# Altium PCB mod_duo_x_g3399.PcbDoc (part 2 of 2)
Units mm, origin at the board's own origin, x right, y up, seen from the top; angles counter-clockwise.
Board outline 76 x 68 mm, 4 copper layers (Top Layer, VCC, GND, Bottom Layer), stack 1.37 mm thick; 34 components, 85 nets, 409 pads, 280 vias.
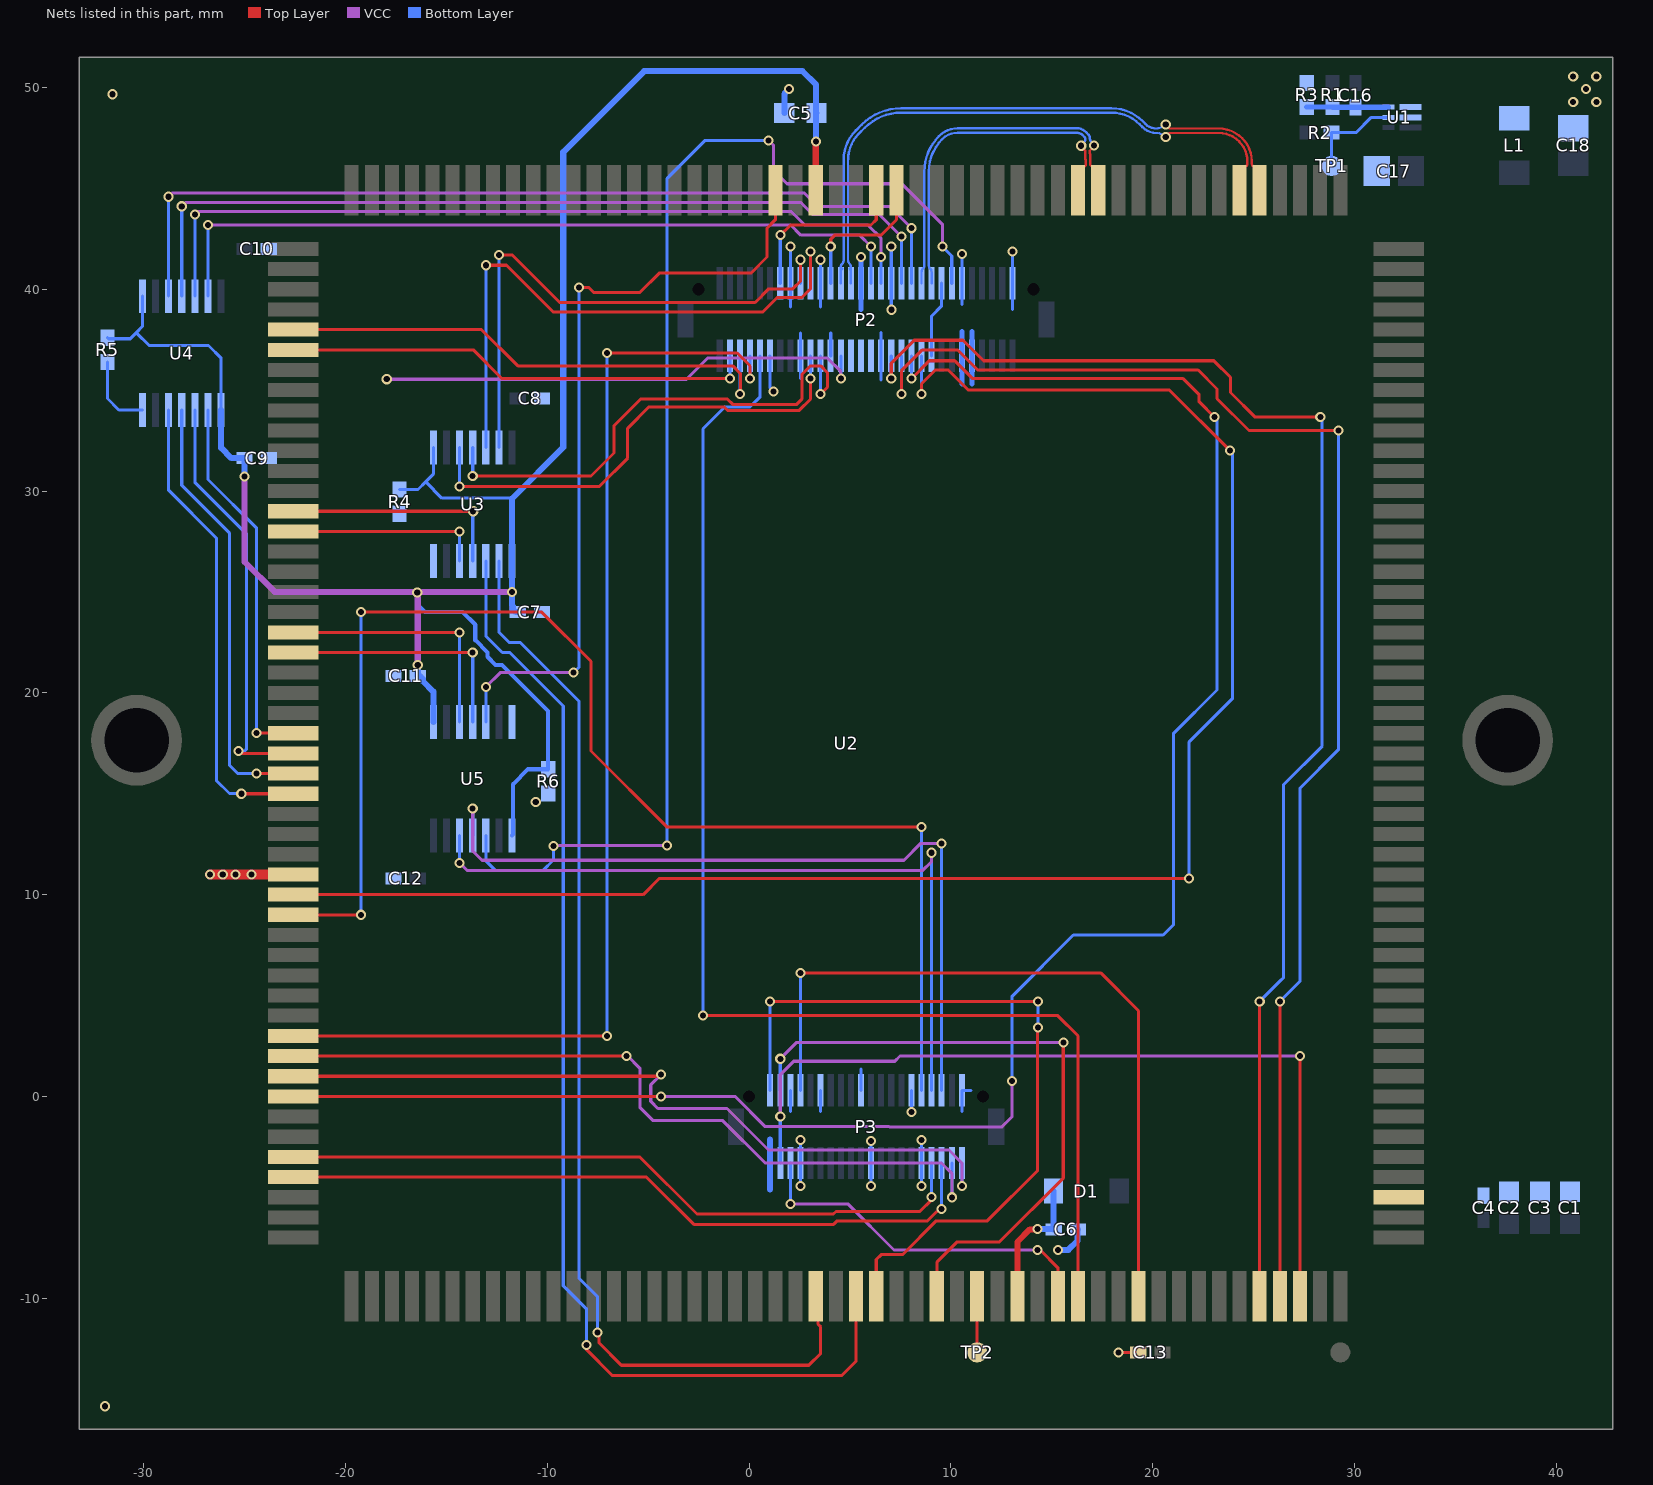
[diagram p4: the nets of this part, all layers, seen from the top]

## Via types
v1: diameter 0.5, hole 0.3, Top Layer to Bottom Layer, tented both sides, 280 vias

## Nets (pads, with @x,y where several pads share a name; then routed paths per layer and width w, separated by ;. In a path a pad name is that pad's centre, name@x,y a point inside that pad or via, vN(x,y) a via of type N, cw(c..) or ccw(c..) an arc to the next point about the centre after c; other vN are vias at no path point) (continued)
EXP_EN2: P3.32 U2.184 | length 66.2
  Top Layer w0.152: U2.184@-22.593,8.999 v1(-19.223,8.999) ; v1(-19.223,23.999) -10.268,23.999 -7.831,21.561 -7.831,17.116 -4.058,13.344 v1(8.55,13.344)
  Bottom Layer w0.152: v1(-19.223,8.999) v1(-19.223,23.999) ; P3.32@8.55,0.3 v1(8.55,13.344)
EXP_FLAG1: P3.36 U5.11 | length 39.5
  VCC w0.152: v1(-13.693,14.26) -13.693,12.162 -13.233,11.702 7.678,11.702 8.517,12.541 v1(9.55,12.541)
  Bottom Layer w0.152: U5.11@-13.693,12.922 v1(-13.693,14.26) ; P3.36@9.55,0.3 v1(9.55,12.541)
EXP_FLAG1_1V8: U2.171 U5.4 | length 12.3
  Top Layer w0.152: U2.171@-22.593,21.999 v1@-13.693,21.999
  Bottom Layer w0.152: U5.4@-13.693,18.56 v1@-13.693,21.999
  other v1: -13.693,21.999
EXP_FLAG2: P3.34 U5.12 | length 37.3
  VCC w0.152: v1(-14.343,11.576) -13.952,11.185 8.592,11.185 9.05,11.643 v1(9.05,12.074)
  Bottom Layer w0.152: v1(-14.343,11.576) U5.12@-14.343,12.922 ; P3.34@9.05,0.3 v1(9.05,12.074)
EXP_FLAG2_1V8: U2.170 U5.3 | length 12.7
  Top Layer w0.152: U2.170@-22.593,22.999 v1(-14.343,22.999)
  Bottom Layer w0.152: U5.3@-14.343,18.56 v1(-14.343,22.999)
GND: C1.1 C2.1 C3.1 C4.1 C5.1 C6.1 C7.1 C8.1 C9.1 C10.1 C11.1 C12.1 C13.1 C17.1 C18.1 P2.11 P2.16 P2.17 P2.22 P2.23 P2.30 P2.33 P2.36 P2.43 P2.46 P2.49 P2.50 P2.51 P2.60 P3.1 P3.6 P3.7 P3.12 P3.20 P3.21 P3.30 P3.31 P3.40 R3.1 R4.2 R5.2 R6.1 U1.4 U2.53 U2.182 U3.7 U4.7 U5.7 | length 59.9
  Top Layer w0.152: v1@18.307,-12.691 C13.1@19.293,-12.691
  Top Layer w0.5: v1(-26.716,10.999) v1(-26.081,10.999) v1(-25.446,10.999) v1(-24.654,10.999) U2.182@-22.593,10.999
  Bottom Layer w0.152: R5.2@-31.796,36.399 -31.796,34.583 -31.233,34.02 U4.7@-30.063,34.02 ; P2.11@1.014,36.7 P2.11@1.05,36.7 1.05,35.108 v1(1.224,34.935) ; 2.05,-0.753 P3.6@2.05,0.3 ; 2.049,39.126 P2.16@2.049,40.3 v1@2.049,42.118 ; v1@2.55,-4.436 P3.7@2.55,-3.3 v1(2.55,-2.164) v1@2.55,-2.15 ; 2.549,35.569 P2.17@2.549,36.7 2.549,37.824 ; 3.55,-0.753 P3.12@3.55,0.3 ; 3.55,39.125 P2.22@3.55,40.3 v1(3.55,41.464) ; P2.23@4.049,36.7 4.049,37.824 ; P3.20@5.55,0.3 5.55,1.353 ; v1@6.05,-4.436 P3.21@6.05,-3.3 v1(6.05,-2.211) v1@6.05,-2.197 ; 6.549,35.496 P2.33@6.549,36.7 6.549,37.855 ; v1@7.05,38.998 P2.36@7.05,40.3 v1(7.05,42.118) ; v1@8.05,-0.753 P3.30@8.05,0.3 ; v1@8.55,-4.436 P3.31@8.55,-3.3 v1(8.55,-2.164) v1@8.55,-2.15 ; P2.43@9.05,36.7 9.05,38.68 9.549,39.18 P2.46@9.549,40.3 ; 10.55,-0.753 P3.40@10.55,0.3 11.003,0.3 ; 10.55,39.252 P2.50@10.55,40.3 v1@10.55,41.74 ; 13.05,38.998 P2.60@13.05,40.3 v1@13.05,41.868
  Bottom Layer w0.254: 5.55,39.009 P2.30@5.55,40.3 v1(5.55,41.591) ; 10.55,35.316 P2.49@10.55,36.7 10.55,37.905 ; 11.05,35.315 P2.51@11.05,36.7 11.05,37.905
  Bottom Layer w0.3: 1.05,-4.617 P3.1@1.05,-3.3 1.05,-2.15 ; C5.1@1.749,48.731 1.749,49.683 v1@1.986,49.92 ; v1(15.321,-7.611) 15.829,-7.611 16.271,-7.169 16.271,-6.626 C6.1@16.302,-6.595
  other v1: -31.923,-15.358 18.314,-12.698 2.55,-4.45 6.05,-4.449 8.55,-4.449 8.05,-0.767 -10.57,14.586 7.066,38.985 10.554,41.74 13.054,41.868 2.054,42.118 40.848,49.285 41.991,49.285 -31.542,49.666 1.99,49.92 41.483,49.92 40.848,50.555 41.991,50.555
HMI_ISP_ENABLE: P2.35 U2.46 | length 70.5
  Top Layer w0.152: v1(7.05,35.569) 7.05,36.339 8.185,37.474 10.609,37.474 11.625,36.458 23.033,36.458 23.859,35.632 23.859,34.888 25.084,33.663 v1@28.309,33.663 ; U2.46@25.307,-9.901 v1@25.307,4.708
  Bottom Layer w0.152: v1(7.05,35.569) P2.35@7.05,36.7 ; v1(25.311,4.708) 26.305,5.702 26.311,5.702 26.497,5.888 26.497,15.455 28.402,17.36 28.402,33.571 v1@28.31,33.663
  other v1: 28.313,33.661
HMI_ISP_RESET: P2.37 U2.47 | length 71.2
  Top Layer w0.152: v1(7.55,34.807) 7.55,35.958 8.591,36.999 10.336,36.999 11.336,35.999 22.258,35.999 23.195,35.062 23.195,34.582 24.778,32.999 v1(29.214,32.999) ; U2.47@26.307,-9.901 v1@26.307,4.708
  Bottom Layer w0.152: v1(7.55,34.807) P2.37@7.549,36.7 ; v1(26.311,4.706) 27.307,5.702 27.307,15.274 29.21,17.177 v1@29.21,32.999
HMI_ISP_UART_RX: P2.41 U2.183 | length 86.5
  Top Layer w0.152: U2.183@-22.593,9.999 -5.244,9.999 -4.439,10.804 v1(21.798,10.804) ; v1(8.55,34.807) 8.55,35.314 9.234,35.999 9.877,35.999 10.877,34.999 20.844,34.999 v1@23.851,31.992
  Bottom Layer w0.152: v1(8.55,34.807) P2.41@8.55,36.7 ; v1(21.798,10.804) 21.798,17.549 23.957,19.708 23.957,31.886 v1@23.83,32.013
  other v1: 23.834,32.013
HMI_ISP_UART_TX: P2.39 U2.193 | length 95.9
  Top Layer w0.152: U2.193@-22.593,-0.001 v1(-4.364,-0.001) ; v1(8.05,35.569) 8.939,36.458 10.195,36.458 11.084,35.569 21.518,35.569 22.307,34.78 22.307,34.425 v1@23.068,33.663
  VCC w0.152: v1(-4.364,-0.001) -0.693,-0.001 0.806,-1.5 6.941,-1.5 6.955,-1.514 12.526,-1.514 13.039,-1.001 v1(13.039,0.771)
  Bottom Layer w0.152: v1(8.05,35.569) P2.39@8.05,36.7 ; v1(13.039,0.771) 13.039,4.966 16.072,7.999 20.528,7.999 21.047,8.518 21.047,17.995 23.195,20.143 23.195,33.536 v1@23.068,33.663
  other v1: 23.072,33.663
HMI_RFU_UART_RX: P2.21 U3.11 | length 26.2
  Top Layer w0.152: v1(-13.693,30.743) -7.832,30.743 -6.693,31.882 -6.693,33.24 -5.38,34.553 -1.062,34.553 -0.808,34.299 2.367,34.299 2.621,34.553 2.621,35.775 3.05,36.204 3.55,36.204 3.891,35.863 3.891,35.148 v1(3.55,34.807)
  Bottom Layer w0.152: v1(-13.693,30.743) U3.11@-13.693,32.165 ; v1(3.55,34.807) P2.21@3.55,36.7
HMI_RFU_UART_RX_1V8: U2.164 U3.4 | length 11.4
  Top Layer w0.152: U2.164@-22.593,28.999 v1(-13.668,28.999)
  Bottom Layer w0.152: U3.4@-13.693,26.527 -13.693,28.974 v1(-13.668,28.999)
HMI_RFU_UART_TX: P2.19 U3.10 | length 24.3
  Top Layer w0.152: v1(-14.343,30.235) -7.412,30.235 -6.015,31.632 -6.015,33.11 -4.953,34.172 -1.235,34.172 -1.062,33.999 2.496,33.999 3.05,34.553 v1(3.05,35.569)
  Bottom Layer w0.152: v1(-14.343,30.235) U3.10@-14.343,32.165 ; v1(3.05,35.569) P2.19@3.05,36.7
HMI_RFU_UART_TX_1V8: U2.165 U3.5 | length 9.7
  Top Layer w0.152: U2.165@-22.593,27.999 v1(-14.343,27.999)
  Bottom Layer w0.152: U3.5@-14.343,26.527 v1(-14.343,27.999)
HMI_SPIO_CLK: P2.29
HMI_SPIO_CS0: P2.31
HMI_SPIO_MISO: P2.25 | length 24.7
  VCC w0.152: v1@-17.953,35.542 -3.099,35.542 -2.056,36.585 3.891,36.585 4.542,35.934 4.542,35.576 v1(4.55,35.569)
  Bottom Layer w0.152: v1(4.55,35.569) P2.25@4.55,36.7
  other v1: -17.953,35.543
HMI_SPIO_MOSI: P2.27
HP_CLOCK: P3.2 U2.27 | length 37.7
  Top Layer w0.152: v1@1.05,4.706 v1(14.321,4.706) ; U2.27@6.307,-9.901 6.307,-8.084 6.55,-7.841 7.604,-7.841 9.278,-6.167 11.812,-6.167 14.305,-3.674 v1@14.305,3.413
  Bottom Layer w0.152: P3.2@1.05,0.3 v1(1.05,4.708) ; v1(14.321,3.413) v1(14.321,4.706)
HP_DISABLE: P3.8 U2.40 | length 37.5
  Top Layer w0.152: v1(2.55,6.12) 17.428,6.12 19.307,4.242 U2.40@19.307,-9.901
  Bottom Layer w0.152: P3.8@2.55,0.3 v1(2.55,6.12)
HP_UP/DW: P3.4 U2.30 | length 32.3
  Top Layer w0.152: U2.30@9.307,-9.901 9.307,-8.227 10.322,-7.212 12.418,-7.212 15.575,-4.055 v1@15.575,2.676
  VCC w0.152: v1(1.55,1.863) 2.363,2.676 v1(15.579,2.676)
  Bottom Layer w0.152: P3.4@1.55,0.3 v1(1.55,1.863)
IN1_DETECT: P2.38 U4.11 | length 43.2
  VCC w0.152: v1(-28.113,44.113) -27.925,44.3 2.568,44.3 3.171,43.697 6.47,43.697 v1(7.551,42.617)
  Bottom Layer w0.152: U4.11@-28.113,39.658 v1(-28.113,44.113) ; P2.38@7.549,40.3 7.549,42.615 v1(7.551,42.617)
IN1_DETECT_1V8: U2.177 U4.4 | length 21.9
  Top Layer w0.152: v1(-24.403,15.999) U2.177@-22.593,15.999
  Bottom Layer w0.152: U4.4@-28.113,34.02 -28.113,30.28 -25.737,27.904 -25.737,16.398 -25.338,15.999 v1(-24.403,15.999)
IN1_GC1: P3.35 U2.197 | length 35.7
  Top Layer w0.152: U2.197@-22.593,-4.001 -5.078,-4.001 -2.734,-6.345 4.195,-6.345 4.373,-6.167 8.846,-6.167 9.307,-5.706 9.34,-5.706 9.456,-5.59 v1(9.55,-5.59)
  Bottom Layer w0.152: v1@9.55,-5.579 P3.35@9.55,-3.3
IN1_GC2: P3.33 U2.196 | length 34.9
  Top Layer w0.152: U2.196@-22.593,-3.001 -5.407,-3.001 -2.575,-5.833 4.18,-5.833 4.307,-5.706 8.465,-5.706 9.05,-5.121 v1(9.05,-4.985)
  Bottom Layer w0.152: v1(9.05,-4.985) P3.33@9.05,-3.3
IN1_TBP: P3.3 U2.48 | length 42.4
  Top Layer w0.152: U2.48@27.307,-9.901 v1@27.307,1.999
  VCC w0.152: v1(1.55,-1.001) 1.55,1.077 2.215,1.741 7.227,1.741 7.485,1.999 v1(27.307,1.999)
  Bottom Layer w0.152: P3.3@1.55,-3.3 v1(1.55,-1.001)
IN2_DETECT: P2.40 U4.10 | length 45.3
  VCC w0.152: v1(-28.763,44.586) -28.568,44.781 2.722,44.781 3.39,44.113 6.963,44.113 v1(8.05,43.026)
  Bottom Layer w0.152: U4.10@-28.763,39.658 v1(-28.763,44.586) ; P2.40@8.05,40.3 v1(8.05,43.026)
IN2_DETECT_1V8: U2.178 U4.5 | length 23.4
  Top Layer w0.152: v1(-25.162,14.999) U2.178@-22.593,14.999
  Bottom Layer w0.152: U4.5@-28.763,34.02 -28.763,30.037 -26.396,27.67 -26.396,15.659 -25.751,15.014 -25.177,15.014 v1(-25.162,14.999)
IN2_GC1: P3.37 U2.191 | length 39.1
  Top Layer w0.152: U2.191@-22.593,1.999 v1@-6.015,1.999
  VCC w0.152: v1(-6.074,1.999) -6.014,1.999 -5.407,1.392 -5.407,-0.547 -4.751,-1.203 -1.294,-1.203 0.802,-3.3 9.536,-3.3 10.05,-3.814 v1(10.05,-5.001)
  Bottom Layer w0.152: v1(10.05,-5.001) P3.37@10.05,-3.3
IN2_GC2: P3.39 U2.192 | length 38.8
  Top Layer w0.152: U2.192@-22.593,0.999 -4.442,0.999 v1(-4.364,1.077)
  VCC w0.152: v1(-4.364,1.077) -4.871,0.57 -4.871,-0.245 -4.517,-0.599 -1.089,-0.599 0.97,-2.658 9.908,-2.658 10.55,-3.3 v1@10.55,-4.45
  Bottom Layer w0.152: v1@10.55,-4.45 P3.39@10.55,-3.3
  other v1: 10.55,-4.45
IN2_TBP: P3.5 U2.36 | length 18
  Top Layer w0.152: v1(14.305,-7.611) 14.428,-7.611 15.307,-8.49 U2.36@15.307,-9.901
  VCC w0.152: v1(2.05,-5.325) 4.899,-5.325 7.185,-7.611 v1(14.305,-7.611)
  Bottom Layer w0.152: v1(2.05,-5.325) P3.5@2.05,-3.3
MIDI_UART_RX: P2.20 U3.12 | length 30
  Top Layer w0.152: v1(-13.043,41.19) -12.018,41.19 -9.693,38.864 0.672,38.864 1.398,39.591 2.621,39.591 3.05,40.02 v1(3.05,41.868)
  Bottom Layer w0.152: U3.12@-13.043,32.165 v1(-13.043,41.19) ; P2.20@3.05,40.3 v1(3.05,41.868)
MIDI_UART_RX_1V8: U2.26 U3.3 | length 58.8
  Top Layer w0.152: v1(-8.047,-12.313) -8.047,-12.564 -6.777,-13.834 4.604,-13.834 5.307,-13.131 U2.26@5.307,-9.901
  Bottom Layer w0.152: U3.3@-13.043,26.527 -13.043,22.818 -12.224,21.999 -11.855,21.999 -9.205,19.349 -9.205,-9.389 -8.047,-10.547 v1(-8.047,-12.313)
MIDI_UART_TX: P2.18 U3.13 | length 28.1
  Top Layer w0.152: v1(-12.393,41.699) -11.734,41.699 -9.382,39.348 0.307,39.348 0.979,40.02 2.17,40.02 2.549,40.399 v1(2.549,41.464)
  Bottom Layer w0.152: U3.13@-12.393,32.165 v1(-12.393,41.699) ; P2.18@2.549,40.3 v1(2.549,41.464)
MIDI_UART_TX_1V8: U2.24 U3.2 | length 55.7
  Top Layer w0.152: v1(-7.517,-11.711) -7.429,-11.799 -7.429,-12.224 -6.328,-13.326 2.966,-13.326 3.55,-12.742 3.55,-11.421 3.419,-11.29 3.419,-10.013 U2.24@3.307,-9.901
  Bottom Layer w0.152: U3.2@-12.393,26.527 -12.393,22.999 -11.895,22.501 -11.347,22.501 -8.428,19.583 -8.428,-9.008 -7.517,-9.919 v1(-7.517,-11.711)
NetC16_1: C16.1 R1.1 R3.2 U1.3 | length 4.1
  Bottom Layer w0.254: R3.2@27.64,49.031 R1.1@28.91,49.031 28.918,49.023 C16.1@30.053,49.023 U1.3@31.688,49.023
NetL1_1: L1.1 U1.5
NetR2_2: R2.2 TP1.1 U1.2 | length 4.8
  Bottom Layer w0.152: TP1.1@28.875,46.11 R2.2@28.875,47.761 30.081,47.761 30.843,48.523 U1.2@31.688,48.523
NetTP2_1: TP2.1 U2.32 | length 2.8
  Top Layer w0.152: TP2.1@11.307,-12.691 U2.32@11.307,-9.901
OUT1_DETECT: P2.32 U4.13 | length 38.7
  VCC w0.152: v1(-26.813,43.189) 2.062,43.189 2.57,42.681 5.487,42.681 v1(6.05,42.118)
  Bottom Layer w0.152: U4.13@-26.813,39.658 v1(-26.813,43.189) ; P2.32@6.05,40.3 v1(6.05,42.118)
OUT1_DETECT_1V8: U2.175 U4.2 | length 18.8
  Top Layer w0.152: v1(-24.403,17.999) U2.175@-22.593,17.999
  Bottom Layer w0.152: U4.2@-26.813,34.02 -26.813,30.571 -24.403,28.161 v1(-24.403,17.999)
OUT2_DETECT: P2.34 U4.12 | length 40.9
  VCC w0.152: v1(-27.463,43.697) -27.3,43.859 2.085,43.859 2.755,43.189 5.887,43.189 6.55,42.526 v1(6.55,41.592)
  Bottom Layer w0.152: U4.12@-27.463,39.658 v1(-27.463,43.697) ; P2.34@6.549,40.3 v1(6.55,41.592)
OUT2_DETECT_1V8: U2.176 U4.3 | length 20.8
  Top Layer w0.152: v1@-25.113,16.999 U2.176@-22.593,16.999
  Bottom Layer w0.152: U4.3@-27.463,34.02 -27.463,30.436 -24.909,27.882 -24.909,17.203 -24.996,17.116 v1(-25.309,17.116)
PM_LEDS_OE: P2.7 U2.190 | length 58.5
  Top Layer w0.152: U2.190@-22.593,2.999 -22.592,3 -9.205,3 v1@-7.031,3 ; v1(-7.031,36.839) -0.586,36.839 0.049,36.204 v1(0.049,35.569)
  Bottom Layer w0.152: v1(-7.031,2.999) v1(-7.031,36.839) ; v1(0.049,35.569) P2.7@0.049,36.7
PM_LEDS_SCL: P2.5 U2.155 | length 26
  Top Layer w0.152: U2.155@-22.593,37.999 -13.254,37.999 -11.459,36.204 -0.808,36.204 -0.427,35.823 -0.427,34.83 v1(-0.45,34.807)
  Bottom Layer w0.152: v1(-0.45,34.807) P2.5@-0.45,36.7
PM_LEDS_SDA: P2.3 U2.156 | length 23.4
  Top Layer w0.152: U2.156@-22.593,36.999 -13.668,36.999 -12.238,35.569 v1(-0.951,35.569)
  Bottom Layer w0.152: v1(-0.951,35.569) P2.3@-0.951,36.7
PWR_BUTTON: P2.9 U2.37 | length 66.5
  Top Layer w0.152: v1(-2.278,3.999) 15.307,3.999 16.307,2.999 U2.37@16.307,-9.901
  Bottom Layer w0.152: v1(-2.278,3.999) -2.278,33.083 -1.189,34.172 0.049,34.172 0.55,34.672 P2.9@0.55,36.7
UBOOT_BUTTON: P2.14 U2.124 | length 8.9
  Top Layer w0.152: v1(1.554,42.681) 2.062,43.189 6.05,43.189 6.307,43.446 U2.124@6.307,44.899
  Bottom Layer w0.152: P2.14@1.549,40.3 v1@1.549,42.681
USB_DEV_D_N: P2.26 U2.105 | length 31.4
  Top Layer w0.117: v1(20.655,48.158) v1(20.655,48.158) 20.844,47.967 23.279,47.967 cw(c23.279,46.319) 24.445,47.484 24.446,47.483 cw(c23.311,46.347) 24.917,46.347 24.917,46.241 ccw(c25.114,46.241) 24.974,46.101 ccw(c25,46.127) 25,46.09 cw(c25,46.054) 25.026,46.08 25.161,45.945 cw(c24.809,45.593) 25.307,45.593 U2.105@25.307,44.899
  Bottom Layer w0.117: P2.26@4.62,41.02 ccw(c4.789,40.851) P2.26@4.552,40.883 ; 4.69,41.436 cw(c4.454,41.437) 4.621,41.27 ccw(c4.788,41.103) 4.552,41.103 P2.26@4.552,40.883 ; 4.69,41.437 4.69,46.407 cw(c6.763,46.407) 5.297,47.873 5.584,48.16 cw(c7.551,46.193) 7.551,48.974 17.961,48.974 cw(c17.961,46.782) 19.511,48.332 19.652,48.191 ccw(c20.193,48.733) 20.193,47.967 ccw(c20.193,48.454) 20.538,48.11 cw(c20.655,47.992) v1(20.655,48.158) ; P2.26@4.552,40.883 ccw(c4.789,40.851) 4.55,40.851 P2.26@4.55,40.3 4.552,40.302 P2.26@4.552,40.883
USB_DEV_D_P: P2.28 U2.106 | length 31.4
  Top Layer w0.117: v1(20.655,47.557) v1(20.655,47.557) 20.844,47.748 23.278,47.748 cw(c23.278,46.316) 24.29,47.329 cw(c23.306,46.345) 24.698,46.345 24.698,46.241 cw(c24.5,46.241) 24.64,46.101 cw(c24.614,46.127) 24.614,46.09 ccw(c24.614,46.054) 24.588,46.08 24.453,45.945 ccw(c24.805,45.593) 24.307,45.593 U2.106@24.307,44.899
  Bottom Layer w0.117: P2.28@4.979,41.02 cw(c4.81,40.851) P2.28@5.047,40.883 ; v1(20.655,47.557) cw(c20.655,47.723) 20.538,47.605 ccw(c20.193,47.261) 20.193,47.748 cw(c20.192,48.731) 19.497,48.036 19.357,48.176 ccw(c17.959,46.777) 17.959,48.755 7.552,48.755 ccw(c7.552,46.19) 5.738,48.004 5.455,47.722 ; 4.909,46.288 cw(c7.551,46.288) 4.909,46.292 ; 4.909,46.288 4.909,41.437 ccw(c5.145,41.437) 4.978,41.27 cw(c4.811,41.103) 5.047,41.103 P2.28@5.047,40.883 ; 4.909,46.288 4.909,46.292 ; 4.909,46.292 cw(c7.551,46.288) 5.004,46.991 ; 4.909,46.292 4.909,46.403 cw(c6.774,46.403) 5.004,46.991 ; 5.004,46.991 cw(c6.774,46.403) 5.453,47.719 ; P2.28@5.047,40.883 cw(c4.81,40.851) 5.049,40.851 P2.28@5.049,40.3 5.047,40.302 P2.28@5.047,40.883 ; 5.453,47.719 cw(c6.774,46.403) 5.455,47.722 ; 5.453,47.719 5.455,47.722
USB_DEV_DET: P2.24 U2.123 | length 7.3
  Top Layer w0.152: v1(4.05,42.118) 4.05,42.487 4.244,42.681 6.539,42.681 7.307,43.449 U2.123@7.307,44.899
  Bottom Layer w0.152: P2.24@4.049,40.3 v1(4.05,42.118)
USB_HOST_D_N: P2.42 U2.113 | length 18.3
  Top Layer w0.117: v1(17.099,47.126) 17.099,47.074 16.891,46.866 16.891,46.732 16.917,46.707 16.917,46.325 16.916,46.159 16.985,46.09 17.016,46.09 17.307,45.799 U2.113@17.307,44.899
  Bottom Layer w0.117: P2.42@8.55,40.3 8.55,40.851 cw(c8.789,40.851) 8.62,41.02 ccw(c8.45,41.19) 8.69,41.19 8.69,45.834 cw(c11.182,45.834) 9.42,47.597 9.422,47.599 cw(c10.342,46.679) 10.342,47.98 16.239,47.98 cw(c16.239,47.33) 16.699,47.79 16.816,47.672 cw(c16.636,47.492) 16.891,47.492 ccw(c17.146,47.492) 16.966,47.311 17.062,47.215 cw(c16.973,47.126) v1(17.099,47.126)
USB_HOST_D_P: P2.44 U2.114 | length 17.6
  Top Layer w0.117: U2.114@16.307,44.899 16.307,45.799 16.599,46.09 16.629,46.09 16.698,46.159 16.698,46.415 16.672,46.441 16.672,46.852 16.464,47.06 v1(16.464,47.112)
  Bottom Layer w0.117: P2.44@9.05,40.3 9.05,40.851 ccw(c8.81,40.851) 8.979,41.02 cw(c9.149,41.19) 8.909,41.19 8.909,45.832 cw(c11.188,45.832) 9.577,47.443 cw(c10.343,46.677) 10.343,47.761 16.237,47.761 cw(c16.237,47.326) 16.545,47.634 16.625,47.554 ; v1(16.464,47.112) cw(c16.59,47.112) 16.501,47.201 16.625,47.325 ccw(c16.51,47.439) 16.672,47.439 ccw(c16.51,47.439) 16.625,47.554
USB_HOST_DRV: P2.48 U5.10 | length 64.4
  VCC w0.152: v1(-9.693,12.404) -9.658,12.439 v1(-4.064,12.439) ; v1@0.97,47.38 1.224,47.126 1.224,45.89 1.883,45.231 7.572,45.231 9.581,43.222 v1(9.581,42.118)
  Bottom Layer w0.152: U5.10@-13.043,12.922 -13.043,11.672 -12.556,11.185 -10.219,11.185 -9.693,11.711 v1(-9.693,12.404) ; v1(-4.064,12.439) -4.058,12.445 -4.058,45.495 -2.173,47.38 v1(0.974,47.38) ; v1@9.577,42.118 10.049,41.645 P2.48@10.049,40.3
USB_HOST_DRV_1V8: U2.129 U5.5 | length 39.2
  Top Layer w0.152: v1(-8.428,40.091) -7.94,40.091 -7.693,39.843 -5.412,39.843 -4.455,40.8 0.097,40.8 0.893,41.596 0.893,43.026 1.307,43.44 U2.129@1.307,44.899
  VCC w0.152: v1(-13.043,20.287) -12.331,20.999 v1(-8.693,20.999)
  Bottom Layer w0.152: U5.5@-13.043,18.56 v1(-13.043,20.287) ; v1(-8.693,20.999) -8.428,21.264 v1(-8.428,40.091)
VCC1V8_S3: C5.2 C7.2 C9.2 C11.2 R4.1 R5.1 R6.2 U2.127 U3.1 U3.8 U4.1 U4.8 U5.1 U5.8 | length 108.9
  Top Layer w0.3: U2.127@3.307,44.899 v1@3.307,47.329
  VCC w0.3: v1(-25.003,30.723) -25.003,26.49 -23.512,24.999 v1@-16.468,24.999 ; v1@-16.443,24.999 v1(-11.743,24.999) ; v1(-16.418,21.387) v1@-16.418,24.949
  Bottom Layer w0.152: R5.1@-31.796,37.599 -31.746,37.549 -30.666,37.549 -30.364,37.85 ; U4.8@-30.063,39.658 -30.063,38.152 -30.364,37.85 ; U4.1@-26.163,34.02 -26.163,36.586 -26.788,37.211 -29.725,37.211 -30.364,37.85 ; R4.1@-17.318,30.073 -16.408,30.073 -16.025,30.455 ; U3.8@-15.643,32.165 -15.643,30.838 -16.025,30.455 ; -11.743,29.632 -11.762,29.651 -15.221,29.651 -16.025,30.455
  Bottom Layer w0.203: v1@-16.468,24.999 v1(-16.443,24.974) -16.418,24.949 -16.418,24.358 -16.059,23.999 -14.191,23.999 -13.566,23.374 -13.566,22.607 -12.958,21.999 -12.958,21.789 -12.556,21.387 -12.24,21.387 -9.952,19.099 R6.2@-9.952,16.214 -10.946,16.214 -11.693,15.467 -11.693,12.972 U5.8@-11.743,12.922
  Bottom Layer w0.3: U4.1@-26.163,34.02 -26.163,32.142 -25.653,31.632 C9.2@-25.003,31.632 v1(-25.003,30.723) ; v1(-16.418,21.387) C11.2@-16.418,20.837 -16.318,20.837 -16.168,20.687 -16.168,20.587 -15.643,20.062 U5.1@-15.643,18.56 ; C7.2@-11.459,23.999 -11.559,23.999 -11.709,24.149 -11.709,24.291 -11.743,24.325 U3.1@-11.743,26.527 -11.743,29.632 -9.205,32.17 -9.205,46.8 -5.196,50.809 2.653,50.809 3.311,50.151 3.311,48.769 C5.2@3.349,48.731 3.311,48.692 v1(3.311,47.329)
VCC_RTC: C6.2 D1.1 U2.34 | length 6.6
  Top Layer w0.3: U2.34@13.307,-9.901 13.307,-7.212 13.924,-6.595 v1@14.307,-6.595
  Bottom Layer w0.3: v1(14.307,-6.567) 14.321,-6.581 C6.2@15.088,-6.581 ; D1.1@15.083,-4.69 15.083,-6.576 C6.2@15.088,-6.581 ; C6.2@15.102,-6.595 C6.2@15.088,-6.581
pads on no net: P2.1 P2.2 P2.4 P2.6 P2.8 P2.10 P2.12 P2.M P3.M U2.3 U2.4 U2.5 U2.6 U2.7 U2.10 U2.13 U2.16 U2.17 U2.18 U2.19 U2.20 U2.21 U2.22 U2.23 U2.25 U2.28 U2.33 U2.38 U2.39 U2.43 U2.49 U2.54 U2.55 U2.56 U2.57 U2.58 U2.59 U2.60 U2.61 U2.62 U2.63 U2.64 U2.65 U2.66 U2.67 U2.68 U2.69 U2.70 U2.71 U2.72 U2.73 U2.74 U2.75 U2.76 U2.77 U2.78 U2.79 U2.80 U2.81 U2.82 U2.83 U2.84 U2.85 U2.86 U2.87 U2.88 U2.89 U2.90 U2.91 U2.92 U2.93 U2.94 U2.95 U2.96 U2.97 U2.98 U2.99 U2.100 U2.101 U2.102 U2.103 U2.104 U2.107 U2.108 U2.109 U2.110 U2.111 U2.112 U2.115 U2.116 U2.117 U2.118 U2.119 U2.120 U2.121 U2.122 U2.125 U2.126 U2.128 U2.130 U2.131 U2.132 U2.133 U2.134 U2.135 U2.136 U2.137 U2.138 U2.139 U2.140 U2.141 U2.142 U2.143 U2.144 U2.145 U2.146 U2.147 U2.148 U2.149 U2.150 U2.151 U2.152 U2.153 U2.154 U2.157 U2.159 U2.160 U2.161 U2.162 U2.163 U2.166 U2.167 U2.168 U2.169 U2.172 U2.173 U2.174 U2.179 U2.180 U2.200 U3.6 U3.9 U4.6 U4.9 U5.6 U5.9

## Polygon pours and split planes (outlines as drawn)
GND on Top Layer "Top Layer-GND" (solid, remove dead copper, pour order 70): -33.193,51.499 -33.193,-16.501 42.807,-16.501 42.807,51.499
+3V3 on Top Layer "Top Layer-+3V3" (solid, pour order 62): 29.926,-5.579 29.926,-7.992 30.688,-8.754 30.688,-11.711 39.161,-11.711 39.832,-11.04 39.832,-5.579
no net on Top Layer "Top Layer-No Net" (solid, pour order 2): 31.107,-9.77
GND on Bottom Layer "Bottom Layer-GND" (solid, remove dead copper, pour order 72): -33.193,-16.501 42.807,-16.501 42.807,51.499 -33.193,51.499
+5V on Bottom Layer "Bottom Layer-+5V 2" (solid, pour order 66): 14.248,37.498 14.248,40.679 15.896,40.679 17.335,42.118 22.542,42.118 23.068,41.591 23.068,35.003 23.072,34.999 14.242,34.999
+3V3 on Bottom Layer "Bottom Layer-+3V3" (solid, pour order 64): 41.356,-5.579 29.926,-5.579 29.926,-7.992 30.688,-8.754 30.688,-11.675 40.594,-11.675 41.356,-10.913
+5V on Bottom Layer "Bottom Layer-+5V 1" (solid, pour order 50): 33.355,48.241 31.207,48.241 31.057,48.091 31.057,46.872 31.958,46.872 31.958,43.824 35.895,43.824 35.895,46.491 35.514,46.872 34.498,46.872 33.355,48.015
no net on Bottom Layer "Bottom Layer-No Net 1" (solid, pour order 48): 31.108,48.142
+3V3 on Bottom Layer "Bottom Layer-+4V2" (solid, pour order 46): 42.807,46.999 36.276,46.999 36.276,45.221 37.038,44.459 37.038,36.7 42.807,36.7
NetL1_1 on Bottom Layer "Bottom Layer-NetL1_1" (solid, pour order 44): 32.257,48.396 33.549,48.396 34.438,47.507 39.832,47.507 39.832,49.666 39.451,50.047 34.782,50.047 33.385,48.65 32.257,48.65
+5V on Bottom Layer "Bottom Layer-+5V" (solid, pour order 8): 11.384,35.696 13.416,35.696 13.416,37.601 11.384,37.601 11.384,37.855 14.1,37.855 17.099,37.855 17.099,34.999 11.384,34.999
no net on Bottom Layer "Bottom Layer-No Net" (solid, pour order 6): 12.273,35.569
+3V3 on VCC "VCC-+4V2" (solid, remove dead copper, pour order 54): -33.193,-16.501 42.807,-16.501 42.807,17.027 42.807,51.499 -33.193,51.499
+5V on VCC "VCC-+5V" (solid, pour order 52): 11.384,36.648 25.291,36.648 27.894,39.252 30.561,41.919 35.387,41.919 35.895,42.427 35.895,46.491 35.514,46.872 34.498,46.872 33.355,48.015 33.355,48.269 27.259,48.269 23.576,44.586 19.766,44.586 15.829,40.649 12.273,40.649 11.384,39.76
GND on GND "GND-GND" (solid, remove dead copper, pour order 68): -33.193,51.499 42.807,51.499 42.807,-16.501 -33.193,-16.501

## Keep-outs
Keep-Out Layer:
  the board outline again, w0.1

## Other copper
VCC:
  pour cut-out: 12.273,38.782
Bottom Layer:
  pour cut-out: 0.748,-2.404 0.748,-4.252 10.852,-4.252 10.852,-2.404
  pour cut-out: 0.748,-0.652 0.748,1.097 10.797,1.097 10.797,-0.626 0.738,-0.626 0.738,1.097
  pour cut-out: -1.753,37.652 10.241,37.652 10.241,35.751 -1.753,35.751
  pour cut-out: -1.753,41.252 12.781,41.252 12.781,39.348 -1.753,39.348
  pour cut-out: 10.352,37.652 11.247,37.652 11.247,35.748 10.352,35.748

## Silkscreen, mask and mechanical layers (free items; w line width, h text height)
Top Overlay:
  text "Adapter Duo2.0-G3399 / Rev: 2020.02.17" at -30.619,-15.505 h0.8
Mechanical 1:
  pour cut-out: -1.365,14.641 ccw(c-0.984,14.641) -0.984,14.26 cw(c-0.984,14.641)
Mechanical 2:
  drawing of 442 lines, arcs and shapes, not listed
  text "Layer" at 51.687,139.495 h1.52
  text "Name" at 62.099,139.495 h1.52
  text "Material" at 85.714,139.495 h1.52
  text "Thickness" at 107.552,139.495 h1.52
  text "Constant" at 124.058,139.495 h1.52
  text "Board Layer Stack" at 138.533,139.495 h1.52
  text "Top Overlay" at 62.099,136.447 h1.52
  text "Top Solder" at 62.099,133.399 h1.52
  text "Solder Resist" at 85.714,133.399 h1.52
  text "0.80mil" at 107.552,133.399 h1.52
  text "3.8" at 124.058,133.399 h1.52
  text "1" at 51.687,130.351 h1.52
  text "Top Layer" at 62.099,130.351 h1.52
  text "Copper" at 85.714,130.351 h1.52
  text "1.38mil" at 107.552,130.351 h1.52
  text "Dielectric 1" at 62.099,127.303 h1.52
  text "FR-4" at 85.714,127.303 h1.52
  text "3.94mil" at 107.552,127.303 h1.52
  text "4.05" at 124.058,127.303 h1.52
  text "2" at 51.687,124.255 h1.52
  text "VCC" at 62.099,124.255 h1.52
  text "Copper" at 85.714,124.255 h1.52
  text "0.69mil" at 107.552,124.255 h1.52
  text "Dielectric 3" at 62.099,121.207 h1.52
  text "41.93mil" at 107.552,121.207 h1.52
  text "4.2" at 124.058,121.207 h1.52
  text "3" at 51.687,118.159 h1.52
  text "GND" at 62.099,118.159 h1.52
  text "Copper" at 85.714,118.159 h1.52
  text "0.69mil" at 107.552,118.159 h1.52
  text "Dielectric 2" at 62.099,115.111 h1.52
  text "3.94mil" at 107.552,115.111 h1.52
  text "4.05" at 124.058,115.111 h1.52
  text "4" at 51.687,112.063 h1.52
  text "Bottom Layer" at 62.099,112.063 h1.52
  text "Copper" at 85.714,112.063 h1.52
  text "1.38mil" at 107.552,112.063 h1.52
  text "Bottom Solder" at 62.099,109.015 h1.52
  text "Solder Resist" at 85.714,109.015 h1.52
  text "0.79mil" at 107.552,109.015 h1.52
  text "3.8" at 124.058,109.015 h1.52
  text "Bottom Overlay" at 62.099,105.967 h1.52